# Altium PCB CRD25DA12N-FMC V2 (09-2024).PcbDoc (part 3 of 6) (continued)
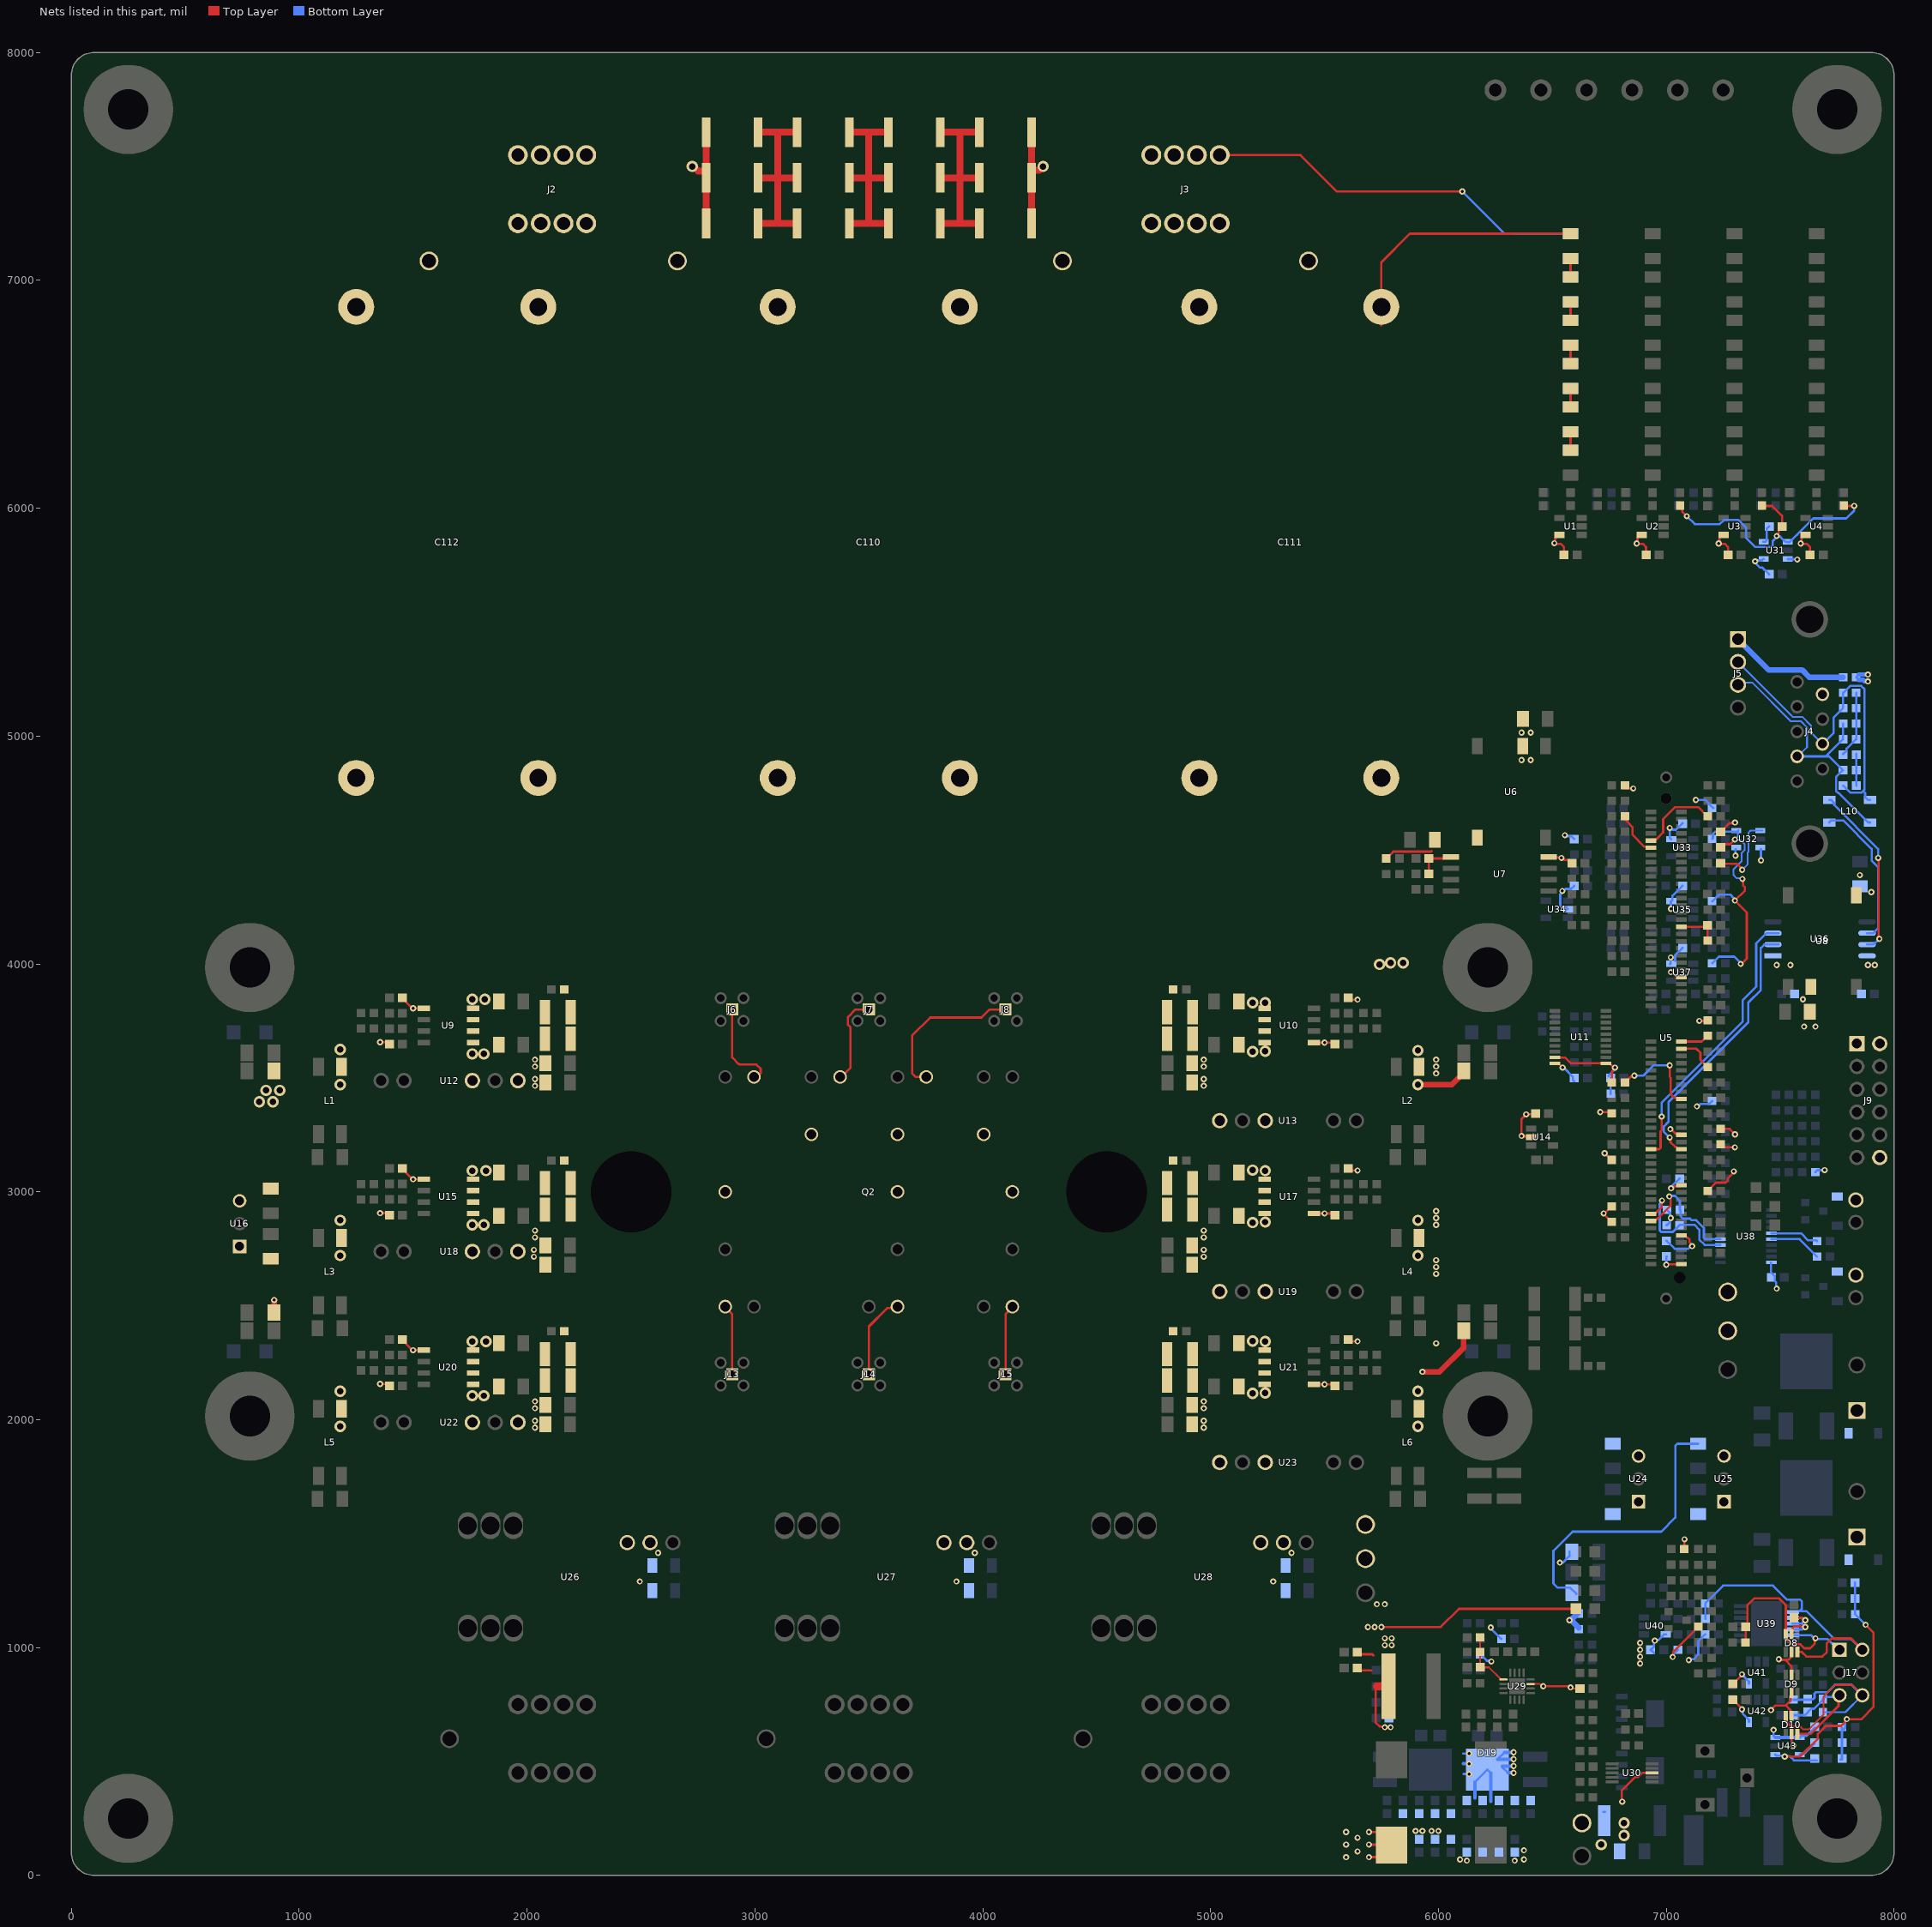
[diagram p7: the nets of this part, all layers, seen from the top]
## Part data (continued)
R203 R208 R213: "RES 7.87K OHM 1% 1/10W 0603", Case Code (Imperial)=0603, Case Code (Metric)=1608, Manufacturer=YAGEO, Max Operating Temperature=155°C, Max Power Dissipation=0.1W, Min Operating Temperature=-55°C, Package Quantity=1, Power Rating=100mW, Resistance=7.87kΩ, Resistor Type="Thick Film", Supplier Part Number 1=49AK2736, Temperature Coefficient=100ppm/°C, Tolerance=1%, Voltage Rating=50V, Category="Chip SMD Resistors", ComponentLink1Description=https://datasheet.ciiva.com/2553/pyu-r-int-thick-7-2553552.pdf?src-supplier=Digi-Key, ComponentLink1URL=https://datasheet.ciiva.com/2553/pyu-r-int-thick-7-2553552.pdf?src-supplier=Digi-Key, ComponentLink2Description=https://datasheet.ciiva.com/2553/pyu-r-int-thick-7-2553553.pdf?src-supplier=Digi-Key, ComponentLink2URL=https://datasheet.ciiva.com/2553/pyu-r-int-thick-7-2553553.pdf?src-supplier=Digi-Key, ComponentLink3Description=https://datasheet.ciiva.com/2553/pyu-r-int-thick-7-2553551.pdf?src-supplier=Digi-Key, ComponentLink3URL=https://datasheet.ciiva.com/2553/pyu-r-int-thick-7-2553551.pdf?src-supplier=Digi-Key, Construction=Rectangular, Depth=0.8mm, Features="Moisture Resistant", Height=0.022inch, Lead Free="Lead Free", Length=1.6mm, Manufacturer Part Number=RC0603FR-077K87L, Military Standard=Not, Number of Terminations=2, Package=0603, Packaging="Tape and Reel", Pricing 1="1=0.10000, 25=0.02000, 50=0.01500, 100=0.00900 (USD)", RoHS=Yes, RoHS Compliant=Yes, Series=RC, Size Code=0603, Stock 1=12340, Supplier 1=Newark, Termination=SMD/SMT, Voltage Rating (DC)=50V, Width=0.031inch
R247 R253: "RES SMD 3.9K OHM 1% 1/10W 0603", Case Code (Imperial)=0603, Case Code (Metric)=1608, Manufacturer=PANASONIC, Manufacturer Part Number=ERJ-3EKF3901V, Max Operating Temperature=155°C, Max Power Dissipation=100mW, Min Operating Temperature=-55°C, Package Quantity=1, Power Rating=0.1W, Resistance=3.9kΩ, Resistance Tolerance=1%, Resistor Type="Thick Film", Supplier Part Number 1=1229307, Temperature Coefficient=100ppm/°C, Voltage Rating=75V, Category="Chip SMD Resistors", ComponentLink1Description=https://datasheet.ciiva.com/7802/426256-7802685.pdf?src-supplier=Element14, ComponentLink1URL=https://datasheet.ciiva.com/7802/426256-7802685.pdf?src-supplier=Element14, ComponentLink2Description=https://datasheet.ciiva.com/28568/1678782-28568860.pdf?src-supplier=Element14, ComponentLink2URL=https://datasheet.ciiva.com/28568/1678782-28568860.pdf?src-supplier=Element14, ComponentLink3Description=https://datasheet.ciiva.com/46419/1678782-46419999.pdf?src-supplier=Element14, ComponentLink3URL=https://datasheet.ciiva.com/46419/1678782-46419999.pdf?src-supplier=Element14, ComponentLink4Description=https://datasheet.ciiva.com/16759/70260748-16759613.pdf?src-supplier=Allied+Electronics, ComponentLink4URL=https://datasheet.ciiva.com/16759/70260748-16759613.pdf?src-supplier=Allied+Electronics, ComponentLink5Description=https://datasheet.ciiva.com/9117/aoa0000ce2-9117242.pdf?src-supplier=Avnet, ComponentLink5URL=https://datasheet.ciiva.com/9117/aoa0000ce2-9117242.pdf?src-supplier=Avnet, ComponentLink6Description=https://datasheet.ciiva.com/9196/aoa0000ce2-9196154.pdf?src-supplier=Avnet, ComponentLink6URL=https://datasheet.ciiva.com/9196/aoa0000ce2-9196154.pdf?src-supplier=Avnet, ComponentLink7Description=https://datasheet.ciiva.com/30213/aoa0000ce2-30213118.pdf?src-supplier=Onlinecomponents.com, ComponentLink7URL=https://datasheet.ciiva.com/30213/aoa0000ce2-30213118.pdf?src-supplier=Onlinecomponents.com, Construction=Rectangular, Contact Plating=Tin, Depth=0.8mm, Features="Automotive AEC-Q200", Height=0.022inch, Lead Free="Lead Free", Length=1.6mm, Military Standard=Not, Mount="Surface Mount", Number of Pins=2, Number of Terminations=2, Package=0603, Packaging="Tape and Reel", Pricing 1="5000=0.00700 (USD)", Radiation Hardening=No, Reach SVHC Compliant=Yes, RoHS=Yes, RoHS Compliant=Yes, Series=ERJ, Stock 1=1, Supplier 1=Rs, Termination=SMD/SMT, Tolerance=1%, Voltage Rating (DC)=75V, Width=0.8mm
R250 R257: "RES SMD 15K OHM 0.5% 1/10W 0603", Case Code (Imperial)=0603, Case Code (Metric)=1608, Manufacturer=PANASONIC, Max Operating Temperature=155°C, Max Power Dissipation=100mW, Min Operating Temperature=-55°C, Package Quantity=5000, Power Rating=0.1W, Ratings=AEC-Q200, Resistance=15kΩ, Resistance Tolerance=0.5%, Resistor Type="Thin Film", Supplier Part Number 1=P15KBLCT-ND, Temperature Coefficient=25ppm/°C, Voltage Rating=75V, Category="Chip SMD Resistors", ComponentLink1Description=https://datasheet.ciiva.com/6138/1776116-6138543.pdf?src-supplier=Farnell, ComponentLink1URL=https://datasheet.ciiva.com/6138/1776116-6138543.pdf?src-supplier=Farnell, ComponentLink2Description=https://datasheet.ciiva.com/7830/1776116-7830921.pdf?src-supplier=Element14, ComponentLink2URL=https://datasheet.ciiva.com/7830/1776116-7830921.pdf?src-supplier=Element14, ComponentLink3Description=https://datasheet.ciiva.com/9117/aoa0000ce26-9117541.pdf?src-supplier=Avnet, ComponentLink3URL=https://datasheet.ciiva.com/9117/aoa0000ce26-9117541.pdf?src-supplier=Avnet, ComponentLink4Description=https://datasheet.ciiva.com/9117/aoa0000ce26-9117535.pdf?src-supplier=Avnet, ComponentLink4URL=https://datasheet.ciiva.com/9117/aoa0000ce26-9117535.pdf?src-supplier=Avnet, ComponentLink5Description=https://datasheet.ciiva.com/30207/54aoa0000ce26-30207227.pdf?src-supplier=Onlinecomponents.com, ComponentLink5URL=https://datasheet.ciiva.com/30207/54aoa0000ce26-30207227.pdf?src-supplier=Onlinecomponents.com, Construction=Rectangular, Contact Plating=Tin, Depth=0.8mm, Features="Automotive AEC-Q200", Height=0.45mm, Lead Free="Lead Free", Length=1.6mm, Manufacturer Part Number=ERA-3AED153V, Military Standard=Not, Mount="Surface Mount", Number of Terminations=2, Package=0603, Packaging="Tape and Reel", Pricing 1="1=0.31000, 10=0.26200, 100=0.10240, 500=0.06190, 1000=0.04285, 2500=0.03928 (USD)", Radiation Hardening=No, Reach SVHC Compliant=Yes, RoHS=Yes, RoHS Compliant=Yes, Series=ERA-3A, Stock 1=5000, Supplier 1=Digi-Key, Tolerance=0.5%, Voltage Rating (DC)=75V, Width=0.8mm
R254: "RES SMD 22.6KOHM 0.5% 1/10W 0603", Case Code (Imperial)=0603, Case Code (Metric)=1608, Manufacturer=YAGEO, Max Operating Temperature=155°C, Max Power Dissipation=0.1W, Min Operating Temperature=-55°C, Package Quantity=5000, Resistance=22.6kΩ, Supplier Part Number 1=311-2487-1-ND, Temperature Coefficient=50ppm/°C, Tolerance=0.5%, Voltage Rating (DC)=50V, Case/Package=0603, Category="Chip SMD Resistors", ComponentLink1Description=https://datasheet.ciiva.com/2566/pyu-rt-1-to-0-05-rohs-l-5-2566111.pdf?src-supplier=Digikey, ComponentLink1URL=https://datasheet.ciiva.com/2566/pyu-rt-1-to-0-05-rohs-l-5-2566111.pdf?src-supplier=Digikey, Features="Moisture Resistant", Height=0.022inch, Lead Free="Lead Free", Length=0.063inch, Manufacturer Part Number=RT0603DRE0722K6L, Number of Terminations=2, Package=0603, Packaging="Cut Tape", Pricing 1="1=0.1, 10=0.037, 50=0.0306, 100=0.0279, 500=0.02208, 1000=0.01979 (USD)", RoHS=Yes, RoHS Compliant=Yes, Series=RT, Stock 1=2223, Supplier 1=Digikey, Width=0.031inch
R259: "RES SMD 34.8KOHM 0.5% 1/10W 0603", Case Code (Imperial)=0603, Case Code (Metric)=1608, Manufacturer=YAGEO, Max Operating Temperature=155°C, Max Power Dissipation=100mW, Min Operating Temperature=-55°C, Package Quantity=5000, Power Rating=0.1W, Resistance=34.8kΩ, Supplier Part Number 1=311-2545-1-ND, Temperature Coefficient=50ppm/°C, Tolerance=0.5%, Voltage Rating=75V, Voltage Rating (DC)=50V, Case/Package=0603, Category="Chip SMD Resistors", ComponentLink1Description=https://datasheet.ciiva.com/2566/pyu-rt-1-to-0-05-rohs-l-5-2566218.pdf?src-supplier=Digikey, ComponentLink1URL=https://datasheet.ciiva.com/2566/pyu-rt-1-to-0-05-rohs-l-5-2566218.pdf?src-supplier=Digikey, Height=0.022inch, Lead Free="Lead Free", Length=0.063inch, Manufacturer Part Number=RT0603DRE0734K8L, Number of Terminations=2, Package=0603, Packaging="Tape and Reel", Pricing 1="1=0.1, 10=0.037, 50=0.0306, 100=0.0279, 500=0.02208, 1000=0.01979 (USD)", RoHS=Yes, RoHS Compliant=Yes, Series=RT, Stock 1=8785, Supplier 1=Digikey, Termination=SMD/SMT, Width=0.031inch
R262: "RES SMD 5.36KOHM 0.1% 1/10W 0603", Case Code (Imperial)=0603, Case Code (Metric)=1608, Manufacturer=YAGEO, Max Operating Temperature=155°C, Max Power Dissipation=100mW, Min Operating Temperature=-55°C, Package Quantity=5000, Power Rating=0.1W, Resistance=5.36kΩ, Supplier Part Number 1=YAG1697CT-ND, Temperature Coefficient=25ppm/°C, Tolerance=0.1%, Voltage Rating=75V, Voltage Rating (DC)=50V, Case/Package=0603, Category="Chip SMD Resistors", ComponentLink1Description=https://datasheet.ciiva.com/12706/pyu-rt-1-to-0-05-rohs-l-4-12706234.pdf?src-supplier=Mouser, ComponentLink1URL=https://datasheet.ciiva.com/12706/pyu-rt-1-to-0-05-rohs-l-4-12706234.pdf?src-supplier=Mouser, ComponentLink2Description=https://datasheet.ciiva.com/46635/pyu-rt-1-to-0-05-rohs-l-5-46635294.pdf?src-supplier=Digikey, ComponentLink2URL=https://datasheet.ciiva.com/46635/pyu-rt-1-to-0-05-rohs-l-5-46635294.pdf?src-supplier=Digikey, ComponentLink3Description=https://datasheet.ciiva.com/2586/pyu-rt-1-to-0-05-rohs-l-4-2586015.pdf?src-supplier=Digikey, ComponentLink3URL=https://datasheet.ciiva.com/2586/pyu-rt-1-to-0-05-rohs-l-4-2586015.pdf?src-supplier=Digikey, Features="Moisture Resistant", Height=0.022inch, Lead Free="Lead Free", Length=0.063inch, Manufacturer Part Number=RT0603BRD075K36L, Number of Terminations=2, Package=0603, Packaging="Tape and Reel", Pricing 1="1=0.13, 10=0.097, 50=0.0768, 100=0.0689, 500=0.05248, 1000=0.04637 (USD)", RoHS=Yes, RoHS Compliant=Yes, Series=RT, Stock 1=5772, Supplier 1=Digikey, Termination=SMD/SMT, Width=0.031inch
R264 R267 R268 R271: "RES SMD 12.1K OHM 0.1% 1/5W 0603", Case Code (Imperial)=0603, Case Code (Metric)=1608, Manufacturer=PANASONIC, Max Operating Temperature=155°C, Max Power Dissipation=0.2W, Min Operating Temperature=-55°C, Resistance=12.1kΩ, Resistor Type="Thick Film", Supplier Part Number 1=68AC5970, Temperature Coefficient=50ppm/°C, Tolerance=0.1%, Category="Chip SMD Resistors", ComponentLink1Description=https://industrial.panasonic.com/sa/system/files/data/download/catalog/id_fixed-resistors_e_2.pdf?src-supplier=Digi-Key, ComponentLink1URL=https://industrial.panasonic.com/sa/system/files/data/download/catalog/id_fixed-resistors_e_2.pdf?src-supplier=Digi-Key, Features="Automotive AEC-Q200", Height - Seated (Max)=0.022inch, Length=0.063inch, Manufacturer Part Number=ERJ-PB3B1212V, Number of Terminations=2, Package=0603, Packaging="Tape and Reel", Pricing 1="1=0.02300, 25=0.02300, 50=0.02300, 100=0.02300, 250=0.02300, 500=0.02300, 1000=0.02300 (USD)", RoHS=Yes, Stock 1=2027, Supplier 1=Newark, Width=0.032inch
R265 R269: "RES 47K OHM 1% 1/10W 0603", Case Code (Imperial)=0603, Case Code (Metric)=1608, Manufacturer=YAGEO, Max Operating Temperature=155°C, Max Power Dissipation=100mW, Min Operating Temperature=-55°C, Package Quantity=1, Power Rating=0.1W, Resistance=47kΩ, Resistance Tolerance=1%, Resistor Type="Thick Film", Supplier Part Number 1=6616189, Temperature Coefficient=100ppm/°C, Voltage Rating=50V, Category="Chip SMD Resistors", ComponentLink1Description=https://datasheet.ciiva.com/11808/0900766b80f96399-11808118.pdf?src-supplier=Rs, ComponentLink1URL=https://datasheet.ciiva.com/11808/0900766b80f96399-11808118.pdf?src-supplier=Rs, ComponentLink2Description=https://datasheet.ciiva.com/2453/pyu-r-int-thick-7-2453932.pdf?src-supplier=Digi-Key, ComponentLink2URL=https://datasheet.ciiva.com/2453/pyu-r-int-thick-7-2453932.pdf?src-supplier=Digi-Key, ComponentLink3Description=https://datasheet.ciiva.com/2453/pyu-r-int-thick-7-2453933.pdf?src-supplier=Digi-Key, ComponentLink3URL=https://datasheet.ciiva.com/2453/pyu-r-int-thick-7-2453933.pdf?src-supplier=Digi-Key, ComponentLink4Description=https://datasheet.ciiva.com/2453/pyu-r-int-thick-7-2453931.pdf?src-supplier=Digi-Key, ComponentLink4URL=https://datasheet.ciiva.com/2453/pyu-r-int-thick-7-2453931.pdf?src-supplier=Digi-Key, ComponentLink5Description=https://datasheet.ciiva.com/7746/443971-7746362.pdf?src-supplier=Element14, ComponentLink5URL=https://datasheet.ciiva.com/7746/443971-7746362.pdf?src-supplier=Element14, ComponentLink6Description=https://datasheet.ciiva.com/7746/443971-7746361.pdf?src-supplier=Element14, ComponentLink6URL=https://datasheet.ciiva.com/7746/443971-7746361.pdf?src-supplier=Element14, Construction=Rectangular, Depth=0.8mm, Features="Moisture Resistant", Height=0.022inch, Lead Free="Lead Free", Length=0.063inch, Manufacturer Part Number=RC0603FR-0747KL, Military Standard=Not, Number of Pins=2, Number of Terminations=2, Package=0603, Packaging="Tape and Reel", Pricing 1="5000=0.00150, 50000=0.00140, 200000=0.00140, 625000=0.00130, 2000000=0.00120 (USD)", RoHS=Yes, RoHS Compliant=Yes, Series=RC, Size Code=0603, Stock 1=21495000, Supplier 1="Future Electronics", Technology="THICK FILM", Termination=SMD/SMT, Tolerance=1%, Voltage Rating (DC)=50V, Width=0.031inch
R273 R274: "RES SMD 10 OHM 1% 3/4W 1210", Case Code (Imperial)=1210, Case Code (Metric)=3225, Manufacturer=VISHAY, Max Operating Temperature=155°C, Max Power Dissipation=750mW, Min Operating Temperature=-55°C, Package Quantity=10, Power Rating=0.75W, Ratings=AEC-Q200, Resistance=10Ω, Supplier Part Number 1=71-CRCW121010R0FKEAH, Temperature Coefficient=100ppm/°C, Tolerance=1%, Voltage Rating=200V, Case/Package=1210, Category="Chip SMD Resistors", ComponentLink1Description=https://datasheet.ciiva.com/2478/crcwhpe3-2478099.pdf?src-supplier=Digikey, ComponentLink1URL=https://datasheet.ciiva.com/2478/crcwhpe3-2478099.pdf?src-supplier=Digikey, ComponentLink2Description=https://datasheet.ciiva.com/2478/crcwhpe3-2478100.pdf?src-supplier=Digikey, ComponentLink2URL=https://datasheet.ciiva.com/2478/crcwhpe3-2478100.pdf?src-supplier=Digikey, ComponentLink3Description=https://datasheet.ciiva.com/2478/crcwhpe3-2478101.pdf?src-supplier=Digikey, ComponentLink3URL=https://datasheet.ciiva.com/2478/crcwhpe3-2478101.pdf?src-supplier=Digikey, ComponentLink4Description=https://datasheet.ciiva.com/5544/crcwhpe3-46056-5544330.pdf?src-supplier=Mouser, ComponentLink4URL=https://datasheet.ciiva.com/5544/crcwhpe3-46056-5544330.pdf?src-supplier=Mouser, Construction=Rectangular, Contact Plating=Tin, Depth=2.5mm, Features="Automotive AEC-Q200", Height=0.028inch, Lead Free="Lead Free", Length=3.2mm, Manufacturer Part Number=CRCW121010R0FKEAHP, Military Standard=Not, Number of Terminations=2, Package=1210, Packaging="Tape and Reel", Pricing 1="1=0.62, 10=0.237, 50=0.237, 100=0.203, 500=0.15, 1000=0.133, 5000=0.104, 10000=0.103, 50000=0.09 (USD)", RoHS=Yes, RoHS Compliant=Yes, Series=CRCW-HP, Stock 1=37298, Supplier 1=Mouser, Termination=SMD/SMT, Voltage Rating (DC)=200V, Weight=0.000564oz, Width=0.098inch
R276: "RES 0.01 OHM 1% 2W 2512", Case Code (Imperial)=2512, Case Code (Metric)=6432, Manufacturer=YAGEO, Max Operating Temperature=170°C, Max Power Dissipation=2W, Min Operating Temperature=-55°C, Resistance=10mΩ, Resistor Type="Metal Film", Supplier Part Number 1=1995902P, Temperature Coefficient=50ppm/°C, Tolerance=1%, Category="Chip SMD Resistors", ComponentLink1Description=http://www.mouser.com/ds/2/447/PYu-PE_521_RoHS_L_1-536447.pdf?src-supplier=Mouser, ComponentLink1URL=http://www.mouser.com/ds/2/447/PYu-PE_521_RoHS_L_1-536447.pdf?src-supplier=Mouser, ComponentLink2Description=http://www.yageo.com/NewPortal/yageodocoutput?fileName=/pdf/R-Chip/PYu-PE_521_RoHS_L_5.pdf&src-supplier=Digi-Key, ComponentLink2URL=http://www.yageo.com/NewPortal/yageodocoutput?fileName=/pdf/R-Chip/PYu-PE_521_RoHS_L_5.pdf&src-supplier=Digi-Key, Features="Moisture Resistant,Automotive AEC-Q200", Height=0.03inch, Lead Free="Lead Free", Length=0.248inch, Manufacturer Part Number=PE2512FKE7W0R01L, Number of Terminations=2, Package=2512, Packaging="Tape and Reel", RoHS=Yes, Stock 1=2110, Supplier 1=Rs, Width=0.122inch
TP1 TP2 TP5 TP6 TP8 TP9 TP14: library part CMP-1672-00002-4, "PC TEST POINT MULTIPURPOSE RED", Colour=Red, Manufacturer=KEYSTONE, Package=N/A, Package Quantity=100, ComponentLink1Description="Manufacturer URL", ComponentLink1URL=http://www.keyelco.com/, ComponentLink2Description=Datasheet, ComponentLink2URL=http://www.keyelco.com/product-pdf.cfm?p=1319, Contact Material=Bronze, Contact Plating=Silver, DatasheetVersion="Rev. F, 12/2013", Height="8.12 mm", Manufacturer Part Number=5010, Mount="Through Hole", Mounting Technology="Through Hole", PackageDescription="1-Pin Through Hole Device, Dia 3.17 mm", PackageReference=5010, Packaging=Bulk, Pins=1, REACH SVHC="No SVHC", RoHSCompliant=true
TP3 TP4 TP7 TP10 TP15: library part CMP-1672-00003-4, "PC TEST POINT MULTIPURPOSE BLACK", Colour=Black, Manufacturer=KEYSTONE, Package=N/A, Package Quantity=100, ComponentLink1Description="Manufacturer URL", ComponentLink1URL=http://www.keyelco.com/, ComponentLink2Description=Datasheet, ComponentLink2URL=http://www.keyelco.com/product-pdf.cfm?p=1320, Contact Material=Bronze, Contact Plating=Silver, DatasheetVersion="Rev. F, 12/2013", Height="8.12 mm", Manufacturer Part Number=5011, Mount="Through Hole", Mounting Technology="Through Hole", PackageDescription="1-Pin Through Hole Device, Dia 3.17 mm", PackageReference=5011, Packaging=Bulk, Pins=1, REACH SVHC="No SVHC", RoHSCompliant=true
TP11 TP12 TP13: library part CMP-1672-00004-4, "PC TEST POINT MULTIPURPOSE WHITE", Colour=White, Manufacturer=KEYSTONE, Package=N/A, Package Quantity=100, ComponentLink1Description="Manufacturer URL", ComponentLink1URL=http://www.keyelco.com/, ComponentLink2Description=Datasheet, ComponentLink2URL=http://www.keyelco.com/product-pdf.cfm?p=1321, Contact Material=Bronze, Contact Plating=Silver, DatasheetVersion="Rev. F, 12/2013", Height="8.12 mm", Length="11.3 mm", Manufacturer Part Number=5012, Mount="Through Hole", Mounting Technology="Through Hole", PackageDescription="1-Pin Through Hole Device, Dia 3.17 mm", PackageReference=5012, Packaging=Bulk, Pins=1, REACH SVHC="No SVHC", RoHSCompliant=true
U1 U2 U3 U4 U33 U35 U37 U40 U41 U42: library part CMP-0384-02059-2, "IC OPAMP GP 1 CIRCUIT TSOT23-5", Amplifiers Per Package=1, Generic Part Number=AD8615, Input Bias Current=200fA, Input Offset Voltage=80uV, Manufacturer="ANALOG DEVICES", Package=TSOT-23-5, Code_JEDEC=MO-193-AB, ComponentLink1Description="Manufacturer URL", ComponentLink1URL=http://www.analog.com/en/index.html, ComponentLink2Description=Datasheet, ComponentLink2URL=http://www.analog.com/static/imported-files/data_sheets/AD8615_8616_8618.pdf, ComponentLink3Description="Package Specification", ComponentLink3URL=http:/www.analog.com/static/imported-files/packages/PKG_PDF/TSOT(UJ)/UJ_5.pdf, ComponentLink4Description="Reference Circuit", ComponentLink4URL=http://www.analog.com/en/all-operational-amplifiers-op-amps/operational-amplifiers-op-amps/ad8615/products/product.html#product-recommendations, DatasheetVersion="Rev. E", Iq/Amp=1.7mA, Manufacturer Part Number=AD8615AUJZ-REEL7, Mounting Technology="Surface Mount", PackageDescription="5-Pin Thin Small Outline Transistor Package, Body 2.9 x 1.6 mm, Pitch 0.95 mm", PackageReference=UJ-5, PackageVersion=100708-A, PartNumber=AD8615AUJZ-REEL7, RevisionNote="Reference Circuit URL fixed", Slew Rate=12V/us, Small Signal Bandwidth=23MHz, V Span Max=6V, V Span Min=2.7V
U5: "EVAL BOARD FOR TMS320F280039C", Manufacturer="TEXAS INSTRUMENTS", Package=N/A, Supplier Part Number 1=595-TMDSCNCD280039C, Category="Embedded Processors and Controllers", Manufacturer Part Number=TMDSCNCD280039C, Pricing 1="1=99.75000, 10=99.75000, 50=99.75000, 100=99.75000, 1000=99.75000, 10000=99.75000 (USD)", RoHS=No, Stock 1=11, Supplier 1=Mouser
U6 U8: "DC DC CONVERTER 5V 1W", Case/Package=SMD/SMT, Current - Output 1=200mA, Isolation Voltage=2kV, Manufacturer=RECOM, Max Input Voltage=3.63V, Max Operating Temperature=100°C, Max Output Power=1W, Max Output Voltage=5V, Min Input Voltage=2.97V, Min Operating Temperature=-40°C, Package=8-SMD, Supplier Part Number 1=945-R1SE-3.305/H2-RCT-ND, Category="Board Mount Modules", ComponentLink1Description=http://www.farnell.com/datasheets/1905443.pdf?src-supplier=Farnell, ComponentLink1URL=http://www.farnell.com/datasheets/1905443.pdf?src-supplier=Farnell, ComponentLink2Description=http://www.alliedelec.com/images/products/datasheets/bm/1_Datasheets/70595177.pdf?src-supplier=Allied+Electronics, ComponentLink2URL=http://www.alliedelec.com/images/products/datasheets/bm/1_Datasheets/70595177.pdf?src-supplier=Allied+Electronics, ComponentLink3Description=https://www.recom-power.com/pdf/Econoline/R1SE_H2.pdf?src-supplier=Digi-Key, ComponentLink3URL=https://www.recom-power.com/pdf/Econoline/R1SE_H2.pdf?src-supplier=Digi-Key, ComponentLink4Description=http://www.farnell.com/datasheets/1905443.pdf?src-supplier=Element14, ComponentLink4URL=http://www.farnell.com/datasheets/1905443.pdf?src-supplier=Element14, Depth=12.75mm, Efficiency=75%, Height=6.7mm, Lead Free="Lead Free", Length=12.75mm, Manufacturer Part Number=R1SE-3.305/H2-R, Max Input Voltage (DC)=3.63V, Max Output Current=200mA, Max Power Dissipation=1W, Min Input Voltage (DC)=2.97V, Mount="Surface Mount", Number Of Outputs=1, Packaging="Cut Tape", Pricing 1="1=4.51000, 5=4.44600, 10=4.38300, 25=4.25800, 50=4.00760, 100=3.88240, 250=3.75720 (USD)", Reach SVHC Compliant=Yes, RoHS=Yes, RoHS Compliant=Yes, Series="ECONOLINE R1SE-H2 (1W)", Stock 1=563, Supplier 1=Digi-Key, Voltage - Output 1=5V, Weight=1g, Width=10.7mm
U7: library part CMP-04893-000001-1, "IC ISOLATION 8SOIC", Ambient Temperature Range High=+125°C, Ambient Temperature Range Low=-40°C, Input Bias Current=0.0035uA, Input Offset Voltage=-1.1mV, Manufacturer="TEXAS INSTRUMENTS", Max Junction Temp=+150°C, Max Supply Voltage=5.5V, Min Supply Voltage=3V, Nominal Supply Current=1.3-7100uA, Package=DWV0008A, Temperature="-55°C to +125°C", Temperature Range Low=-55°C, Automotive=No, Category=IC, ComponentLink2Description=Datasheet, ComponentLink2URL=http://www.ti.com/lit/ds/symlink/amc1311.pdf, Device Class L1="Integrated Circuits (ICs)", Device Class L2="Linear ICs", Device Class L3=unset, Digikey Description="IC ISOLATION 8SOIC", Height=2.8mm, Ipc Land Pattern Name=SOIC127P1150X280-8, Lead Free=Yes, Manufacturer Part Number=AMC1311BDWV, Mouser Description="Isolated Amplifier High-Impedance 2V Input Reinforced 3V to 5.5V 8-Pin SOIC Tube", Number of Channels=1, Octopart=https://octopart.com/amc1311bdwv-texas+instruments-88030782, RoHS=TRUE, Standoff Height=0.36mm, Temperature Range High=+125°C
U9 U10 U15 U17 U20 U21: "5A/5A, 3-KVRMS SINGLE-CHANNEL IS", Manufacturer="TEXAS INSTRUMENTS", Max Operating Temperature=125°C, Mfr_Name="Texas Instruments", Min Operating Temperature=-40°C, Package=8-SOIC, Supplier Part Number 1=296-47508-ND, Working Voltage=990V, Category="Integrated Circuits (ICs)", Class=U, ComponentLink1Description=http://www.ti.com/lit/ds/symlink/ucc5350sb.pdf?src-supplier=Farnell, ComponentLink1URL=http://www.ti.com/lit/ds/symlink/ucc5350sb.pdf?src-supplier=Farnell, ComponentLink2Description=http://www.ti.com/lit/ds/symlink/ucc5350.pdf?src-supplier=Digi-Key, ComponentLink2URL=http://www.ti.com/lit/ds/symlink/ucc5350.pdf?src-supplier=Digi-Key, Copyright="Copyright (C) 2021 Ultra Librarian. All rights reserved.", Digi-Key_Part_Number_1=296-47508-ND, Manufacturer Part Number=UCC5350SBD, Manufacturer Print="TEXAS INSTRUMENTS", Manufacturer_Part_Number=UCC5350SBD, Number of Channels=1, Pricing 1="1=3.15000, 10=2.83100, 25=2.67600, 100=2.31920, 250=2.20024, 500=1.97428, 1000=1.68300 (USD)", RefDes=RefDes, RoHS=Yes, RoHS Compliant=Yes, Stock 1=1, Supplier 1=Digi-Key, Type=DEV
U11 U38: library part CMP-0440-01163-3, "IC BUF NON-INVERT 5.5V 20TSSOP", F @ Nom Voltage(Max)(Mhz)=110, Generic Part Number=SN74LV541AT, ICC @ Nom Voltage(Max)(mA)=0.02, Manufacturer="TEXAS INSTRUMENTS", Operating Temperature Range(C)="-40 to 125", Package=20-TSSOP, Rating=Catalog, tpd @ Nom Voltage(Max)(ns)=7.9, Voltage(Nom)(V)=5, Bits(#)=8, Code_JEDEC=MO-153, DatasheetVersion=SCES573B, Input Type=TTL, Manufacturer Part Number=SN74LV541ATPWR, Output Type=CMOS, PackageReference=PW0020A, PackageVersion=http://www.ti.com/lit/ml/mpds362/mpds362.pdf, VCC(Max)(V)=5.5, VCC(Min)(V)=4.5
U12 U13 U18 U19 U22 U23: "DC DC CONVERTER 15V -3V 1.7W", Manufacturer=MURATA, Package=7-SIP, Supplier Part Number 1=580-MGJ2D121503SC, Category="Board Mount Modules", Manufacturer Part Number=MGJ2D121503SC, Manufacturer Print=MURATA, Pricing 1="1=8.68000, 10=8.68000, 50=8.67000, 100=8.33000, 1000=8.00000, 10000=8.00000 (USD)", RoHS=Yes, Stock 1=14, Supplier 1=Mouser
U14 U34: "IC OPAMP GP 1 CIRCUIT SOT23-5", Case/Package=SOT-23-5, Manufacturer=MICROCHIP, Manufacturer Part Number=MCP6271RT-E/OT
U16 U25: "DC DC CONVERTER 5V 5W", Case/Package=SIP, Current - Output 1=1A, Manufacturer=RECOM, Max Input Voltage=28V, Max Operating Temperature=85°C, Max Output Voltage=5V, Max Power Dissipation=5W, Min Input Voltage=8V, Min Operating Temperature=-40°C, Package=3-SIP, Package Quantity=42, Supplier Part Number 1=1446013, Category="Voltage Regulators - Switching", ComponentLink1Description=http://www.farnell.com/datasheets/2787646.pdf?src-supplier=Farnell, ComponentLink1URL=http://www.farnell.com/datasheets/2787646.pdf?src-supplier=Farnell, ComponentLink2Description=http://www.mouser.com/ds/2/468/R-78Exx-1.0-958279.pdf?src-supplier=Mouser, ComponentLink2URL=http://www.mouser.com/ds/2/468/R-78Exx-1.0-958279.pdf?src-supplier=Mouser, ComponentLink3Description=https://www.recom-power.com/pdf/Innoline/R-78Exx-1.0.pdf?src-supplier=Digi-Key, ComponentLink3URL=https://www.recom-power.com/pdf/Innoline/R-78Exx-1.0.pdf?src-supplier=Digi-Key, ComponentLink4Description=http://www.farnell.com/datasheets/1848475.pdf?src-supplier=Newark, ComponentLink4URL=http://www.farnell.com/datasheets/1848475.pdf?src-supplier=Newark, ComponentLink5Description=http://www.farnell.com/datasheets/2787646.pdf?src-supplier=Element14, ComponentLink5URL=http://www.farnell.com/datasheets/2787646.pdf?src-supplier=Element14, ComponentLink6Description=http://datasheet.octopart.com/R-78E5.0-1.0-Recom-Power-datasheet-68298118.pdf?src-supplier=Rs, ComponentLink6URL=http://datasheet.octopart.com/R-78E5.0-1.0-Recom-Power-datasheet-68298118.pdf?src-supplier=Rs, Efficiency=91%, Features=SCP, Height=10.4mm, Lead Free="Lead Free", Length=11.6mm, Manufacturer Part Number=R-78E5.0-1.0, Manufacturer Print=RECOM, Max Output Current=1A, Mount="Through Hole", Number Of Outputs=1, Output Power=5W, Packaging=Rail/Tube, RoHS=Yes, RoHS Compliant=Yes, Stock 1=661, Supplier 1=Rs, Voltage - Output 1=5V, Weight=2g, Width=8.5mm
U24: "DC DC CONVERTER 3.3V 3W", Case/Package=SIP, Manufacturer=RECOM, Max Input Voltage=28V, Max Operating Temperature=85°C, Max Output Current=1A, Max Output Power=3.3W, Max Output Voltage=3.3V, Max Power Dissipation=3W, Min Input Voltage=8V, Min Input Voltage (DC)=7V, Min Operating Temperature=-40°C, Package=3-SIP, Supplier Part Number 1=9176626, Category="Board Mount Modules", ComponentLink1Description=http://www.farnell.com/datasheets/2787646.pdf?src-supplier=Farnell, ComponentLink1URL=http://www.farnell.com/datasheets/2787646.pdf?src-supplier=Farnell, ComponentLink2Description=https://www.recom-power.com/pdf/Innoline/R-78Exx-1.0.pdf?src-supplier=Digi-Key, ComponentLink2URL=https://www.recom-power.com/pdf/Innoline/R-78Exx-1.0.pdf?src-supplier=Digi-Key, ComponentLink3Description=http://www.farnell.com/datasheets/1965125.pdf?src-supplier=Element14, ComponentLink3URL=http://www.farnell.com/datasheets/1965125.pdf?src-supplier=Element14, ComponentLink4Description=http://www.farnell.com/datasheets/2787646.pdf?src-supplier=Newark, ComponentLink4URL=http://www.farnell.com/datasheets/2787646.pdf?src-supplier=Newark, Efficiency=91%, Features=SCP, Height=10.4mm, Lead Free="Lead Free", Length=11.6mm, Manufacturer Part Number=R-78E3.3-1.0, Manufacturer Print=RECOM, Max Input Voltage (DC)=28V, Mount="Through Hole", Nominal Output Voltage=3.3V, Number Of Outputs=1, Packaging=Rail/Tube, Pricing 1="1=3.93700, 5=3.82200, 10=3.69700, 25=3.58300, 50=3.46900 (USD)", Reach SVHC Compliant=Yes, RoHS=Yes, RoHS Compliant=Yes, Series="INNOLINE R-78E", Stock 1=1, Supplier 1=Rs, Voltage - Output 1=3.3V, Weight=2g, Width=8.5mm
U26 U27 U28: "SENSOR CURRENT HALL 50A AC/DC", Case/Package=Module, Current Rating=50A, Frequency=200kHz, Manufacturer=LEM, Max Operating Temperature=85°C, Max Supply Current=35mA, Min Operating Temperature=-25°C, Operating Supply Voltage=15V, Package=N/A, Package Quantity=12, Secondary Current=25mA, Supplier Part Number 1=44W8442, Accuracy=0.25%, Category="Current Sensors", ComponentLink1Description=https://datasheet.ciiva.com/2812/lah2050-p20e-2812498.pdf?src-supplier=Digi-Key, ComponentLink1URL=https://datasheet.ciiva.com/2812/lah2050-p20e-2812498.pdf?src-supplier=Digi-Key, ComponentLink2Description=https://datasheet.ciiva.com/3327/lah50p-eng-tds-3327447.pdf?src-supplier=Distrelec, ComponentLink2URL=https://datasheet.ciiva.com/3327/lah50p-eng-tds-3327447.pdf?src-supplier=Distrelec, Current Sensing=50A, Height=21mm, Lead Free="Lead Free", Linearity=0.15%, Manufacturer Part Number="LAH 50-P", Manufacturer Print=LEM, Mount="Through Hole,PCB", Number of Channels=1, Overall Depth=14.93mm, Overall Height=21mm, Packaging=Bulk, Polarity=Bidirectional, Pricing 1="1=22.98000, 10=21.60000, 25=20.67000 (USD)", Reach SVHC Compliant=Yes, Response Time=0.5us, RoHS=Yes, RoHS Compliant=Yes, Series=LAH, Stock 1=776, Supplier 1=Newark, Width=33.3mm
U29: "IC REG MULT CONFG ADJ 6.5A 16QFN", Manufacturer="TEXAS INSTRUMENTS", Package=16-WFQFN, Supplier Part Number 1=595-LM5157QRTERQ1, Category="Voltage Regulators - Switching", Manufacturer Part Number=LM5157QRTERQ1, Pricing 1="1=4.45, 10=3.79, 50=3.79, 100=3.28, 250=3.11, 500=2.79, 1000=2.36, 3000=2.29, 10000=2.29 (USD)", RoHS=No, RoHS Compliant=Yes, Stock 1=10233, Supplier 1=Mouser